# Altium PCB Mixed Signal Board Project_final.PcbDoc (part 3 of 3)
Units mil, origin at the board's own origin, x right, y up, seen from the top; angles counter-clockwise.
Board outline 2764.84 x 2841.08 mil, 4 copper layers (Top Layer, GND, VCC, Bottom Layer), stack 61.614 mil thick; 189 components, 143 nets, 740 pads, 441 vias.
Unrouted connection lines stored in the file: 1.
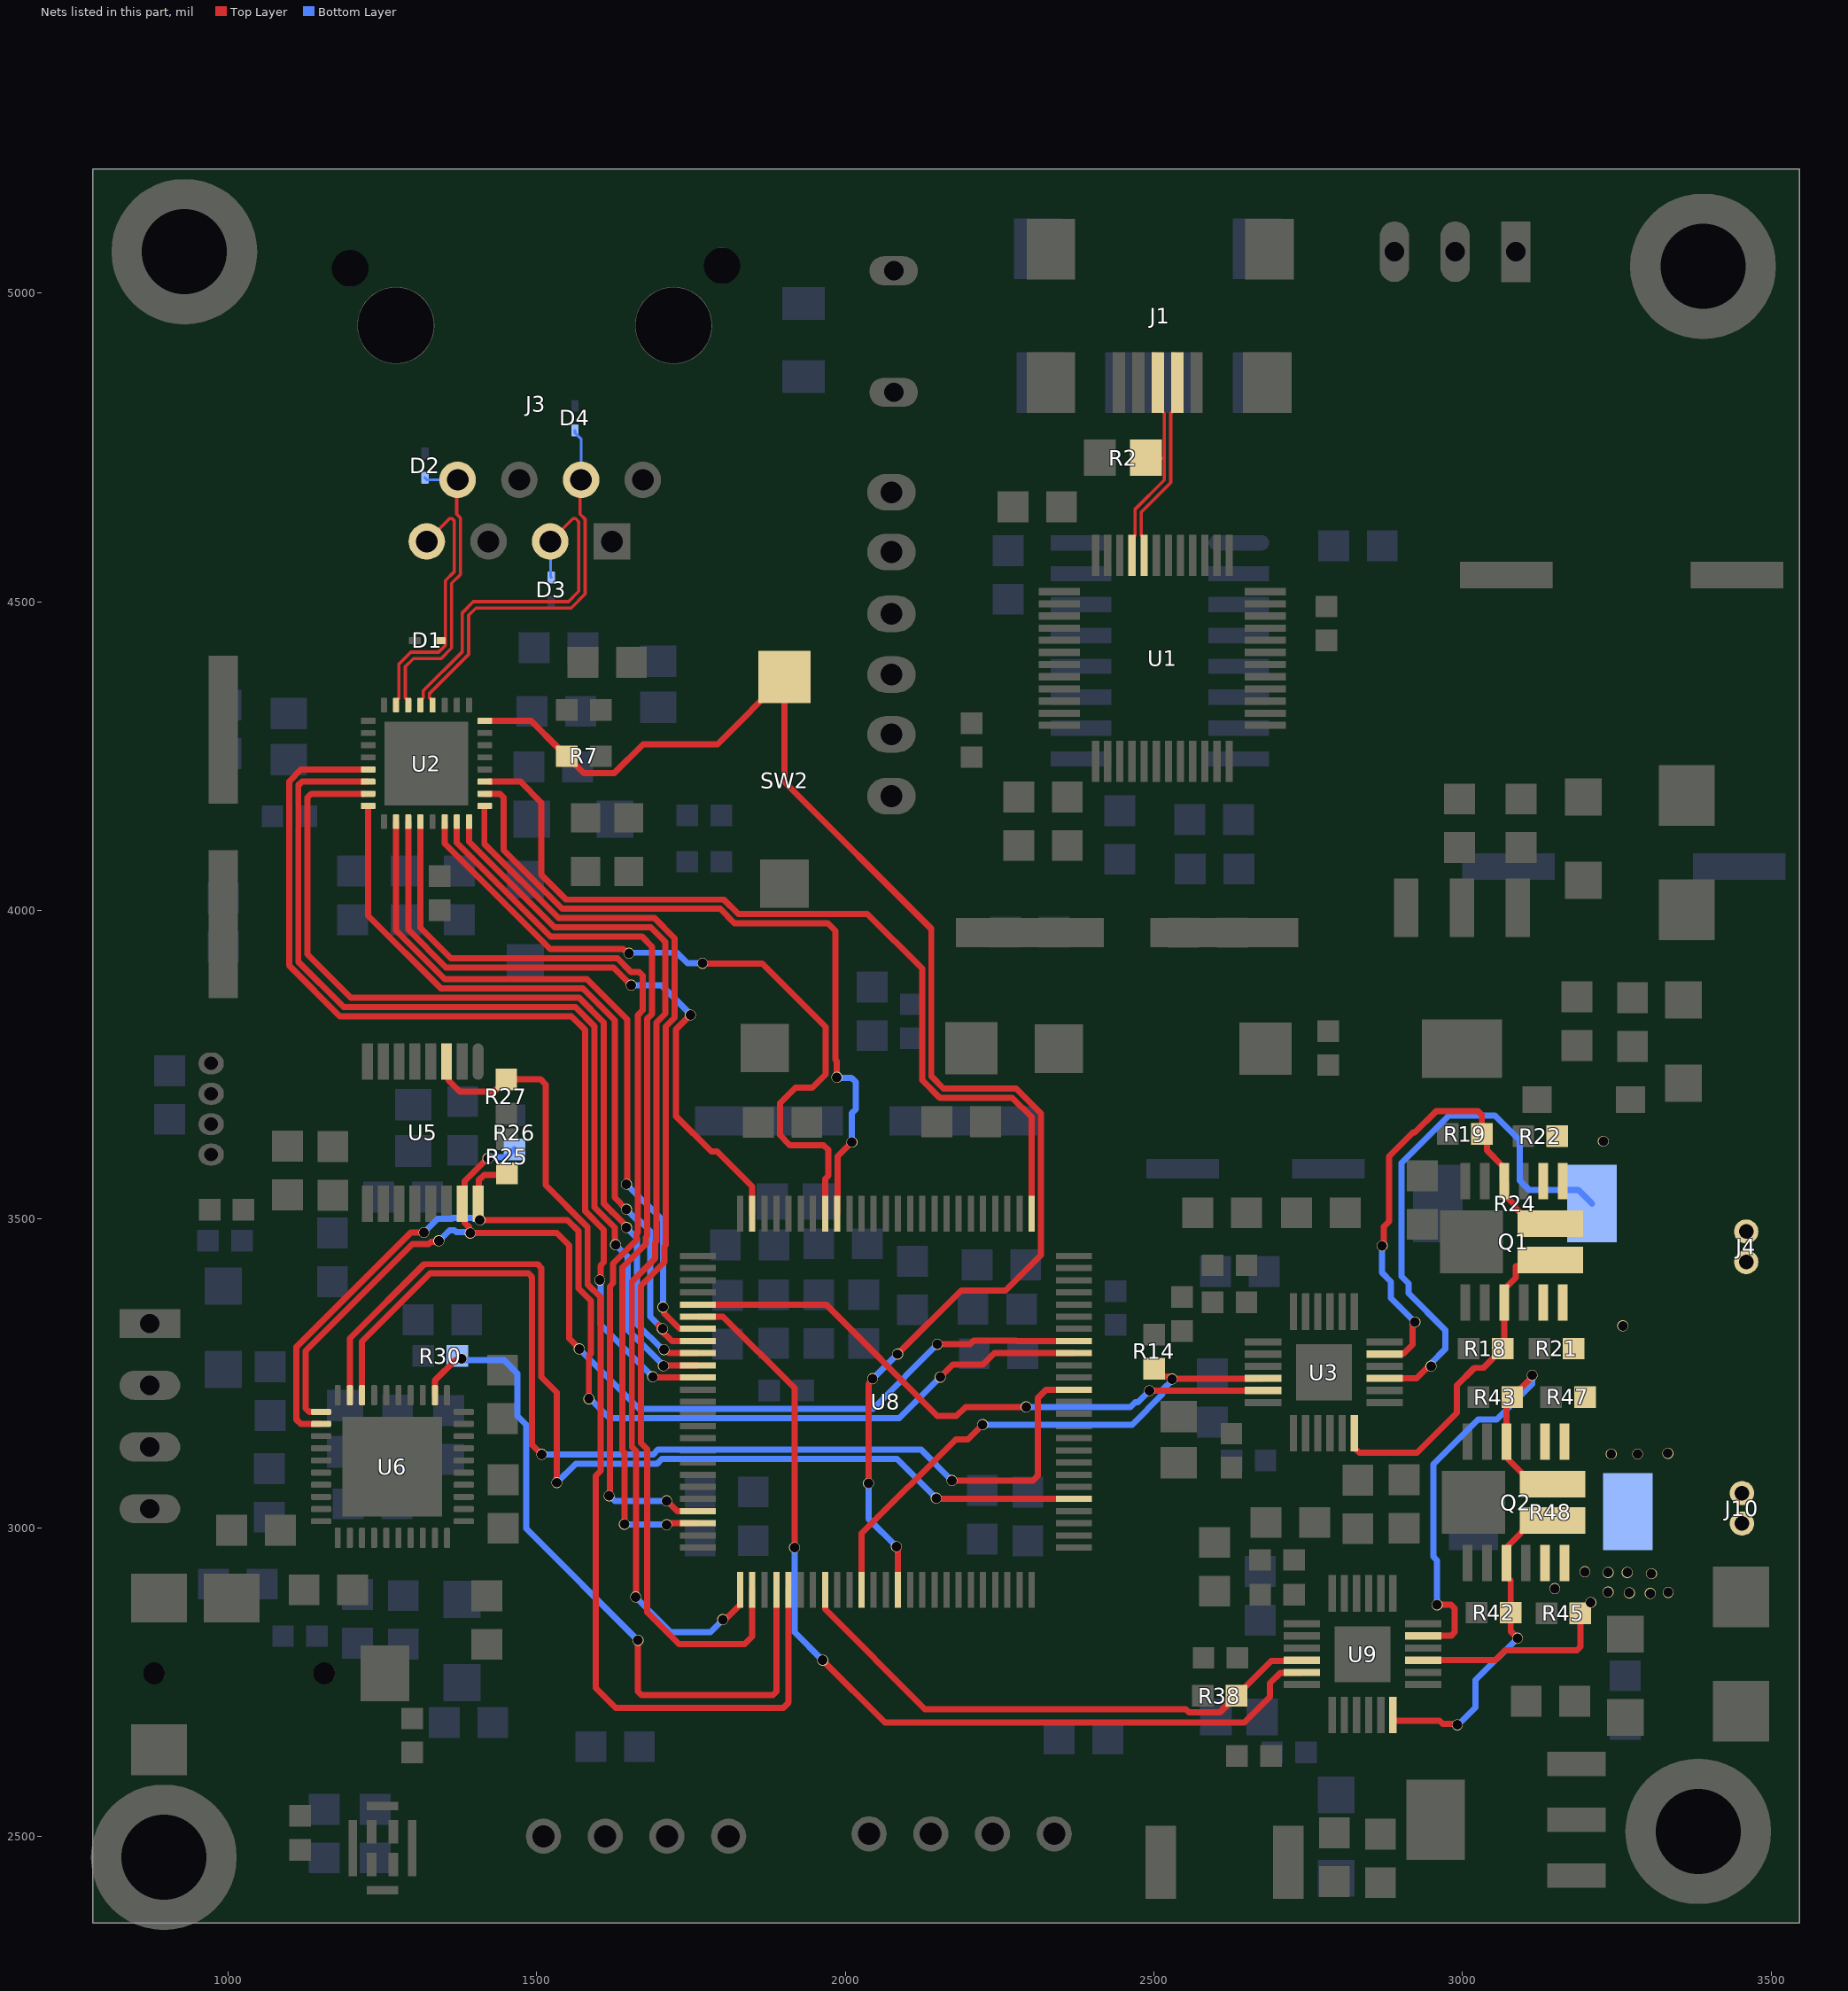
[diagram p5: the nets of this part, all layers, seen from the top]

## Via types
v1: diameter 17.72, hole 15.75, Top Layer to Bottom Layer, 441 vias

## Nets (pads, with @x,y where several pads share a name; then routed paths per layer and width w, separated by ;. In a path a pad name is that pad's centre, name@x,y a point inside that pad or via, vN(x,y) a via of type N, cw(c..) or ccw(c..) an arc to the next point about the centre after c; other vN are vias at no path point) (continued)
"PHY RESET": R7.1 SW2.2 U2.32 U8.64 | length 2482.8
  Top Layer w10: U2.32@1415.91,4306.89 1491.03,4306.89 1535.83,4262.09 1536.42,4262.09 1548.33,4250.18 R7.1@1548.33,4249.59 ; R7.1@1548.92,4249.59 1576.42,4222.09 1625.56,4222.09 1672.65,4269.18 1792.8,4269.18 SW2.2@1901.57,4377.95 1901.57,4207.89 2139.41,3970.06 2139.41,3731.33 2159.28,3711.46 2276.85,3711.46 2316.96,3671.35 2316.96,3441.67 2259.36,3384.07 2187.85,3384.07 v1(2084.79,3281.01) ; v1(2037.53,3071.8) 2037.53,3232.65 2044.22,3239.34 v1(2044.22,3241.43) ; v1(2082.83,2969.16) 2082.83,2967.07 2085.42,2964.48 U8.64@2085.42,2899.22
  Bottom Layer w10: v1(2037.53,3071.8) 2037.53,3014.46 v1(2082.83,2969.16) ; v1(2044.22,3241.43) 2044.72,3241.43 2084.29,3281.01 v1(2084.79,3281.01)
RD_N: D4.K J3.6 U2.4 | length 649.8
  Top Layer w5.18: U2.4@1331.26,4332.48 1331.26,4339.37 1326.51,4344.12 1326.51,4351.48 1354.61,4379.59 1389.76,4414.74 1389.76,4478.01 1401.57,4489.82 1555.79,4489.82 1578.47,4512.5 1578.47,4633.45 1570.31,4641.61 1570.31,4695.9 J3.6@1571.89,4697.48
  Bottom Layer w4.49: D4.K@1561.89,4777.48 1561.89,4773.74 1571.89,4763.74 J3.6@1571.89,4697.48
RD_P: D3.K J3.5 U2.5 | length 616.1
  Top Layer w5.18: U2.5@1311.57,4332.48 1311.57,4339.37 1316.33,4344.12 1316.33,4355.7 1379.59,4418.96 1379.59,4482.23 1397.36,4500 1551.57,4500 1568.29,4516.72 1568.29,4629.24 1563.11,4634.42 1558.82,4634.42 J3.5@1521.89,4597.48
  Bottom Layer w4.49: J3.5@1521.89,4597.48 1522.76,4596.61 1522.76,4540.24 D3.K@1523.62,4539.37
RESET: R27.1 U5.3 U8.55 | length 1738
  Top Layer w10: U5.3@1353.82,3755 1357.68,3751.14 1357.68,3724.2 1375.54,3706.34 1430.98,3706.34 R27.1@1450.72,3726.08 1506.34,3726.08 1514.53,3717.89 1514.53,3554.76 1582.48,3486.8 1582.48,3393.92 1603.46,3372.95 1603.46,3092 1595.74,3084.28 1595.74,2740.42 1628.26,2707.9 1899.69,2707.9 1908.26,2716.46 U8.55@1908.26,2899.22
RESET_DAC: R30.1 U6.32 U8.54 | length 1174.3
  Top Layer w10: U6.32@1335.1,3214.51 1335.1,3238.66 1368.77,3272.34 1376.78,3272.34 v1(1378.25,3273.82) ; v1(1664.18,2817.4) 1664.18,2734.39 1670.04,2728.54 1882.71,2728.54 1888.57,2734.39 U8.54@1888.57,2899.22
  Bottom Layer w10: v1(1378.25,3273.82) 1378.25,3271.07 1447.37,3271.07 1469.01,3249.43 1469.01,3180.68 1483.04,3166.64 1483.04,2998.54 v1(1664.18,2817.4)
RX_CLK: U2.19 U8.24 | length 1078.2
  Top Layer w10: U2.19@1291.89,4143.5 1291.89,3968.75 1353.42,3907.23 1624.68,3907.23 v1(1653.18,3878.73) ; v1(1749,3830.49) 1725.97,3807.47 1725.97,3666.24 1782.82,3609.4 1792.35,3609.4 1849.2,3552.55 U8.24@1849.2,3508.51
  Bottom Layer w10: v1(1653.18,3878.73) 1702.27,3878.73 1749,3832 v1(1749,3830.49)
RX_D0: U2.16 U8.33 | length 1257.9
  Top Layer w10: U2.16@1226.93,4169.09 1226.93,3991.29 1344.86,3873.36 1575.01,3873.36 1626.53,3821.85 1626.53,3534.45 v1(1645.38,3515.59) ; v1@1697.91,3327.88 1699.39,3326.41 1699.39,3321.84 1718.94,3302.29 U8.33@1761.09,3302.29
  Bottom Layer w10: v1(1645.38,3515.59) 1664.23,3496.74 1667.35,3496.74 1684.18,3479.92 1684.18,3341.38 1703.47,3322.09 v1(1703.83,3322.09)
RX_D1: U2.15 U8.34 | length 1502.7
  Top Layer w10: U2.15@1220.12,4188.86 1134.65,4188.86 1128.8,4183 1128.8,3928.61 1199.05,3858.36 1568.8,3858.36 1608.84,3818.32 1608.84,3525.05 1640.72,3493.17 1640.72,3492.95 1645.38,3488.29 v1(1645.38,3486.2) ; v1(1706.2,3288.25) 1708.28,3288.25 1713.92,3282.61 U8.34@1761.09,3282.61
  Bottom Layer w10: v1(1645.38,3486.2) 1662.72,3468.86 1662.72,3329.71 1704.18,3288.25 v1(1706.2,3288.25)
RX_D2: U2.14 U8.35 | length 1577.3
  Top Layer w10: U2.14@1226.93,4208.46 1119.65,4208.46 1113.8,4202.61 1113.8,3916.7 1187.14,3843.36 1562.59,3843.36 1593.84,3812.11 1593.84,3518.84 1626.53,3486.15 1626.53,3459.32 v1(1627.75,3458.1) ; v1(1705.36,3262.1) 1706.19,3262.92 U8.35@1761.09,3262.92
  Bottom Layer w10: v1(1627.75,3458.1) 1628.13,3458.1 1647.72,3438.51 1647.72,3320.05 1705.36,3262.41 v1(1705.36,3262.1)
RX_D3: U2.13 U8.36 | length 1636.9
  Top Layer w10: U2.13@1220.12,4228.07 1118.05,4228.07 1098.8,4208.82 1098.8,3910.48 1180.92,3828.36 1556.37,3828.36 1578.84,3805.9 1578.84,3512.63 1608.89,3482.57 1608.89,3429.77 1603.64,3424.52 1603.64,3402.39 v1(1602.16,3400.91) ; v1(1688.07,3244.32) 1689.15,3243.24 U8.36@1761.09,3243.24
  Bottom Layer w10: v1(1602.16,3400.91) 1603.64,3399.44 1603.64,3328.76 v1(1688.07,3244.32)
RX_DV: U2.18 U8.32 | length 1177
  Top Layer w10: U2.18@1272.2,4143.5 1272.2,3967.22 1350.73,3888.7 1568.41,3888.7 1568.75,3888.36 1581.23,3888.36 1646.48,3823.11 1646.48,3557.4 v1(1645.38,3556.3) ; v1(1704.58,3357.1) 1706.05,3355.62 1706.05,3347.56 1731.64,3321.98 U8.32@1761.09,3321.98
  Bottom Layer w10: v1(1645.38,3556.3) 1704.58,3497.11 v1(1704.58,3357.1)
RX_ER: U2.20 U8.47 | length 1577.4
  Top Layer w10: U2.20@1311.65,4136.69 1311.65,3971.53 1360.96,3922.23 1630.9,3922.23 1652.8,3900.32 1666.18,3900.32 1672.04,3894.47 1672.04,3838.38 1664.24,3830.59 1664.24,3478.39 1662.06,3476.2 1662.06,3465.73 1623.89,3427.57 1623.89,3395.98 1618.46,3390.54 1618.46,3052.66 v1(1617.19,3051.39) ; v1(1710.5,3043.3) 1711.07,3043.3 1727.67,3026.7 U8.47@1761.09,3026.7
  Bottom Layer w10: v1(1617.19,3051.39) 1618.81,3051.39 1626.9,3043.3 v1(1710.5,3043.3)
SCL: R25.1 U5.16 U6.2 U8.92 | length 1924.3
  Top Layer w10: U6.2@1150.65,3167.85 1117.81,3167.85 1110.89,3174.77 1110.89,3292.81 1296.1,3478.01 v1(1317.3,3478.01) ; U5.16@1405,3524.68 1406.17,3525.85 1406.17,3563.12 1414.6,3571.55 R25.1@1451.86,3571.55 ; v1(1407.95,3498.27) 1549.81,3498.27 1567.48,3480.59 1567.48,3387.71 1587.91,3367.28 1587.91,3281.59 1584.6,3278.28 v1(1584.6,3208.73) ; v1(2153.9,3243.82) 2174.04,3263.95 2222.81,3263.95 2241.47,3282.61 U8.92@2370.38,3282.61
  Bottom Layer w10: v1(1317.3,3478.01) 1339.73,3500.43 1362.89,3500.43 1363.96,3501.5 1402.63,3501.5 1405.86,3498.27 v1(1407.95,3498.27) ; v1(1584.6,3208.73) 1586.69,3208.73 1617.83,3177.59 2087.67,3177.59 v1(2153.9,3243.82)
SCLK: U6.38 U8.89 | length 1724.9
  Top Layer w10: U6.38@1216.99,3214.51 1216.99,3301.39 1327.33,3411.73 1486.62,3411.73 1492.48,3405.87 1492.48,3134.33 v1(1508.18,3118.63) ; v1(2172.87,3076.28) 2303.84,3076.28 2311.95,3084.38 2311.95,3209.99 2325.51,3223.55 U8.89@2370.38,3223.55
  Bottom Layer w10: v1(1508.18,3118.63) 1688.88,3118.63 1696.47,3126.22 2122.92,3126.22 v1(2172.87,3076.28)
SDA: R26.1 U5.15 U6.1 U8.93 | length 1892.9
  Top Layer w10: U6.1@1150.65,3187.54 1131.75,3187.54 1125.89,3193.39 1125.89,3286.6 1298.45,3459.15 1325.12,3459.15 1329.12,3463.16 1340.06,3463.16 v1(1341.53,3464.63) ; v1(1421.21,3598.12) 1419.96,3598.12 1383.27,3561.43 1383.27,3528.54 U5.15@1379.41,3524.68 1383.27,3520.83 1383.27,3493.89 1390.85,3486.31 1390.85,3478.64 v1(1392.33,3477.16) 1532.4,3477.16 1552.48,3457.08 1552.48,3306.57 1569.06,3290 v1(1569.06,3289.41) ; v1(2149.12,3296.95) 2202.47,3296.95 2208.32,3302.8 2277.08,3302.8 2277.59,3302.29 U8.93@2370.38,3302.29
  Bottom Layer w10: v1(1341.53,3464.63) 1358.59,3481.68 1366.87,3481.68 1369.92,3478.64 1390.85,3478.64 v1(1392.33,3477.16) ; v1(1421.21,3598.12) 1423.3,3598.12 1425.39,3600.22 1451.43,3600.22 R26.1@1463.93,3612.72 ; v1(1569.06,3289.41) 1665.87,3192.59 2044.76,3192.59 v1(2149.12,3296.95)
SDIN: U6.39 U8.80 | length 1693.3
  Top Layer w10: U6.39@1197.3,3214.51 1197.3,3306.39 1317.64,3426.73 1501.62,3426.73 1507.48,3420.87 1507.48,3244.01 1532.56,3218.93 v1(1532.56,3072.88) ; v1(2147.46,3047.65) 2148.72,3046.39 U8.80@2370.38,3046.39
  Bottom Layer w10: v1(1532.56,3072.88) 1563.31,3103.63 1695.09,3103.63 1702.68,3111.22 2083.88,3111.22 v1(2147.46,3047.65)
SH1: J4.1 Q1.3 Q1.13 R18.2 U3.18 | length 561.9
  Top Layer w10: U3.18@2824.68,3152.99 2824.68,3129.37 2832.81,3121.24 2926.61,3121.24 2991.26,3185.89 2991.26,3230.72 3019.29,3258.75 3033.75,3258.75 R18.2@3065,3290 ; R18.2@3067.8,3292.8 Q1.3@3067.8,3364.57 3067.8,3386.22 3086.61,3405.04 3086.61,3423.28 3132.41,3423.28 Q1.13@3142.6,3433.46
SH1_2: J10.1 Q2.3 Q2.13 R42.2 U9.18 | length 545.1
  Top Layer w10: U9.18@2887.42,2696.47 2887.42,2687.85 2888.32,2686.95 2962.77,2686.95 2967.77,2681.95 2990.17,2681.95 v1(2991.63,2680.49) ; v1(3089.32,2820.83) 3078.16,2831.99 R42.2@3078.16,2862.3 3078.16,2913.69 3071.06,2920.79 Q2.3@3071.06,2942.44 3073.94,2945.31 3073.94,2970.91 3114.37,3011.34 Q2.13@3145.87,3011.34
  Bottom Layer w10: v1(2991.63,2680.49) 2993.14,2680.49 3021.37,2708.72 3021.37,2752.88 v1(3089.32,2820.83)
SH2: J4.2 Q1.10 Q1.14 R19.1 U3.23 | length 808.8
  Top Layer w10: v1(2869.8,3456.49) 2872.59,3459.27 2872.59,3487.23 2881.34,3495.99 2881.34,3601.7 2919.94,3640.3 2922.95,3640.3 2957.01,3674.36 3025.64,3674.36 3031.5,3668.5 R19.1@3031.5,3637.8 3039.71,3629.58 3039.71,3611.15 3064.92,3585.94 3064.92,3564.29 3070.67,3558.54 3070.67,3536.89 3084.81,3522.75 3084.81,3518.81 3111.1,3492.52 Q1.14@3142.6,3492.52 ; U3.23@2873.9,3281.1 2874.8,3282.01 2904.69,3282.01 2919.25,3296.57 2919.25,3329.25 v1(2923,3333)
  Bottom Layer w10: v1(2869.8,3456.49) 2869.35,3456.04 2869.35,3413.19 2884.15,3398.39 2884.15,3371.84 v1(2923,3333)
SH2_2: J10.2 Q2.10 Q2.14 R43.1 U9.23 | length 824.2
  Top Layer w10: U9.23@2936.63,2824.58 2981.48,2824.58 2987.34,2830.44 2987.34,2869.07 2981.48,2874.93 v1(2958.86,2874.93) ; v1(3112.95,3246.72) 3111.47,3245.25 3111.47,3242.35 R43.1@3080.63,3211.51 3071.06,3201.94 Q2.10@3071.06,3139.29 3073.94,3136.42 3073.94,3110.83 3114.37,3070.39 Q2.14@3145.87,3070.39
  Bottom Layer w10: v1(2958.86,2874.93) 2958.86,2947.06 2952.91,2953.01 2952.91,3102.77 3025.21,3175.07 3055.7,3175.07 3112.95,3232.32 v1(3112.95,3246.72)
SNSOUT: R14.1 U3.10 U8.61 | length 898
  Top Layer w10: U8.61@2026.37,2899.22 2026.37,2990.44 2178.96,3143.04 2198.66,3143.04 v1(2222.47,3166.84) ; R14.1@2489.97,3258.1 2503.03,3245.03 2523.09,3245.03 2527.49,3240.63 v1(2529.58,3240.63) 2530.13,3241.18 2676.5,3241.18 U3.10@2677.05,3241.73
  Bottom Layer w10: v1(2222.47,3166.84) 2464.6,3166.84 2513.96,3216.2 2513.96,3222.93 2529.58,3238.54 v1(2529.58,3240.63)
SNSOUT_2: R38.1 U8.58 U9.10 | length 908.4
  Top Layer w10: U8.58@1967.31,2899.22 1967.31,2867.67 2129.03,2705.95 2551.99,2705.95 2557.51,2700.43 2606.66,2700.43 2690.52,2784.3 2738.87,2784.3 U9.10@2739.78,2785.21
SO: U3.11 U8.30 | length 1007.8
  Top Layer w10: U8.30@1761.09,3361.35 1968.8,3361.35 2149.37,3180.78 2180.13,3180.78 2194.84,3195.49 v1(2293.09,3195.49) ; v1(2492.86,3221.77) 2676.77,3221.77 U3.11@2677.05,3222.05
  Bottom Layer w10: v1(2293.09,3195.49) 2462.26,3195.49 2469.67,3202.9 2473.99,3202.9 v1(2492.86,3221.77)
SO_2: U8.31 U9.11 | length 1529.2
  Top Layer w10: U8.31@1761.09,3341.66 1801.94,3341.66 1917.68,3225.92 v1(1917.68,2967.7) ; v1(1963.33,2785.12) 2064.45,2684.01 2646.22,2684.01 2688.31,2726.1 2688.31,2747.97 2704.95,2764.62 2738.87,2764.62 U9.11@2739.78,2765.52
  Bottom Layer w10: v1(1917.68,2967.7) 1917.68,2830.77 v1(1963.33,2785.12)
SP: Q1.5 Q1.6 Q1.7 Q1.8 R21.1 R22.2 R24.2 U3.21 | length 888.9
  Top Layer w10: U3.21@2873.9,3241.73 2925.37,3241.73 2945.09,3261.46 v1(2949.13,3261.46)
  Bottom Layer w10: v1(2949.13,3261.46) 2949.13,3266.29 2971.99,3289.15 2971.99,3320.42 2912.87,3379.53 2912.87,3395.33 2901.2,3407.01 2901.2,3590.67 2977.79,3667.26 3052.74,3667.26 3092.74,3627.26 3092.74,3562.26 3107.74,3547.26 3187.74,3547.26 R24.2@3210,3525
  other v1: 3259.84,3326.77 3228.35,3625.98
SP_2: Q2.5 Q2.6 Q2.7 Q2.8 R45.1 R47.2 R48.2 U9.21 | length 324.9
  Top Layer w10: U9.21@2936.63,2785.21 3053.28,2785.21 3069.41,2801.34 3185.26,2801.34 3191.12,2807.2 R45.1@3191.12,2861.12 R45.1@3191.12,2868.48
  other v1: 3208,2878.74 3304.47,2893.22 3270.47,2894.37 3333.3,2894.95 3235.9,2895.53 3149.61,2901.19 3306.2,2925.49 3235.9,2927.23 3267.02,2927.23 3198.44,2928.38 3241.08,3119.12 3283.72,3119.12 3332.72,3120.28
TD_N: D2.K J3.2 U2.6 | length 487.7
  Top Layer w5.18: U2.6@1291.89,4332.48 1291.89,4339.37 1287.14,4344.12 1287.14,4394.79 1300.36,4408.02 1345.31,4408.02 1362.2,4424.92 1362.2,4529.84 1376.32,4543.96 1376.32,4635.6 1370.31,4641.61 1370.31,4695.9 J3.2@1371.89,4697.48
  Bottom Layer w4.49: D2.K@1318.9,4700.59 1322.01,4697.48 J3.2@1371.89,4697.48
TD_P: D1.K J3.1 U2.7 | length 425
  Top Layer w5.18: U2.7@1272.2,4332.48 1272.2,4339.37 1276.96,4344.12 1276.96,4399.01 1296.15,4418.2 1341.09,4418.2 1352.03,4429.13 1352.03,4534.05 1366.15,4548.17 1366.15,4631.38 1363.11,4634.42 1358.82,4634.42 J3.1@1321.89,4597.48
TX_CLK: U2.22 U8.18 | length 1192.3
  Top Layer w10: U2.22@1350.94,4143.5 1350.94,4107.99 1521.71,3937.23 1640.48,3937.23 1647.38,3930.33 v1(1649.46,3930.33) ; v1(1768.64,3914.27) 1769.52,3913.39 1865.59,3913.39 1968.08,3810.91 1968.08,3734.09 1946.77,3712.78 1919.16,3712.78 1894.02,3687.64 1894.02,3635.97 1910.39,3619.6 1964.87,3619.6 1972.5,3611.96 1972.5,3570.16 1967.31,3564.97 U8.18@1967.31,3508.51
  Bottom Layer w10: v1(1649.46,3930.33) 1650.38,3931.24 1727.25,3931.24 1744.22,3914.27 v1(1768.64,3914.27)
TX_D0: U2.24 U8.51 | length 1739.6
  Top Layer w10: U2.24@1390.31,4143.5 1390.31,4111.04 1528.98,3972.38 1684.63,3972.38 1708.4,3948.61 1708.4,3832.31 1694.24,3818.16 1694.24,3463.84 1692.06,3461.66 1692.06,3436.08 1654.21,3398.24 1654.21,3130.79 1661.03,3123.96 1661.03,2888.34 v1(1660.22,2887.53) ; v1(1801.55,2850.87) 1803.03,2852.35 1806.68,2852.35 1829.52,2875.19 U8.51@1829.52,2899.22
  Bottom Layer w10: v1(1660.22,2887.53) 1716.87,2830.89 1781.57,2830.89 v1(1801.55,2850.87)
TX_D1: U2.25 U8.52 | length 1823.8
  Top Layer w10: U2.25@1415.24,4169.02 1415.24,4107.34 1535.2,3987.38 1690.84,3987.38 1723.4,3954.82 1723.4,3826.1 1709.24,3811.95 1709.24,3457.63 1707.06,3455.45 1707.06,3429.87 1669.21,3392.03 1669.21,3137 1679.08,3127.13 1679.08,2862.78 1730.51,2811.35 1837.09,2811.35 1849.2,2823.47 U8.52@1849.2,2899.22
TX_D2: U2.26 U8.17 | length 1208
  Top Layer w10: U2.26@1415.91,4188.78 1440.62,4188.78 1446.48,4182.92 1446.48,4097.31 1541.41,4002.38 1797.14,4002.38 1820.58,3978.94 1971.8,3978.94 1984,3966.74 1984,3758.2 1986.33,3755.87 v1(1986.33,3729.34) ; U8.17@1987,3508.51 1987,3535.48 1987.5,3535.98 1987.5,3601.24 v1(2010.77,3624.51)
  Bottom Layer w10: v1(1986.33,3729.34) 1986.9,3728.76 2010.18,3728.76 2016.84,3722.11 2016.84,3677.53 2010.77,3671.46 v1(2010.77,3624.51)
TX_D3: U2.27 U8.1 | length 1435
  Top Layer w10: U2.27@1422.72,4208.39 1473.5,4208.39 1507.39,4174.49 1507.39,4057.61 1547.62,4017.38 1803.35,4017.38 1826.79,3993.94 2035.99,3993.94 2124.41,3905.52 2124.41,3725.12 2153.07,3696.46 2270.64,3696.46 2301.96,3665.14 U8.1@2301.96,3508.51
TX_EN: U2.23 U8.48 | length 1497.4
  Top Layer w10: U2.23@1370.63,4143.5 1370.63,4109.52 1522.77,3957.38 1670.77,3957.38 1687.04,3941.11 1687.04,3832.17 1679.24,3824.37 1679.24,3472.18 1677.06,3469.99 1677.06,3459.52 1638.89,3421.35 1638.89,3124.89 1642.17,3121.61 v1(1642.17,3005.49) ; v1@1711.57,3004.59 1713.66,3004.59 1716.09,3007.02 U8.48@1761.09,3007.02
  Bottom Layer w10: v1(1642.17,3005.49) 1642.63,3005.04 1711.12,3005.04 v1@1711.57,3004.59
  other v1: 1710.5,3004.59
USBD_N: J1.2 U1.32 | length 306.2
  Top Layer w5.18: U1.32@2484.25,4574.8 2484.25,4602.36 2479.5,4607.12 2479.5,4644.98 2527.3,4692.78 2527.3,4804.99 2530.33,4808.03 2530.7,4808.03 2537.96,4815.28 J1.2@2537.96,4854.65
USBD_P: J1.3 R2.1 U1.33 | length 336.5
  Top Layer w5.18: U1.33@2464.57,4574.8 2464.57,4602.36 2469.32,4607.12 2469.32,4649.2 2517.12,4697 2517.12,4804.99 2514.09,4808.03 2513.72,4808.03 2506.46,4815.28 J1.3@2506.46,4854.65 ; R2.1@2487.23,4733.21 2488.16,4732.27 2517.12,4732.27
pads on no net: J1.1 J1.4 J3. J3.3 J3.4 J3.7 J3.8 J5.1 J5.4 J7. J7.4 J12. MH2.1 MH3.1 U1.2 U1.3 U1.4 U1.10 U1.11 U1.12 U1.13 U1.14 U1.15 U1.16 U1.17 U1.19 U1.21 U1.22 U1.28 U1.29 U1.30 U1.31 U1.41 U1.42 U1.43 U1.45 U1.46 U2.30 U2.31 U4.7 U4.8 U4.9 U4.10 U4.11 U4.12 U4.13 U4.15 U5.6 U5.7 U5.8 U5.9 U6.20 U6.21 U6.22 U6.23 U6.24 U6.25 U6.26 U6.29 U6.30 U6.36 U8.2 U8.3 U8.4 U8.5 U8.7 U8.8 U8.9 U8.15 U8.38 U8.39 U8.40 U8.41 U8.42 U8.43 U8.44 U8.46 U8.67 U8.77 U8.81 U8.82 U8.83 U8.84 U8.85 U8.86 U8.87 U8.88 U8.91 U8.95 U8.96 U8.97 U8.98

## Polygon pours and split planes (outlines as drawn)
GND on Top Layer "GND_L01_P081" (solid, remove dead copper, pour order 81): 2904.1,2465.29 2745.96,2465.29 2745.96,2516.28 2724.9,2537.34 2576.35,2537.34 2557.22,2518.21 2557.22,2379.21 2452.65,2379.21 2450.73,2377.29 2448.18,2379.84 2448.18,2585.17 2703.22,2585.17 2704.51,2583.88 2731.93,2611.31 2888.16,2611.31 2904.1,2595.37
DVDD on Top Layer "DVDD_L01_P107" (solid, pour order 107): 2477.28,3342.34 2477.28,3292.58 2509.28,3292.58 2509.28,3333.93 2528.15,3352.8 2570.05,3352.8 2570.05,3404.72 2570.68,3405.35 2507.4,3405.35 2507.4,3372.45
GND on Top Layer "GND_L01_P043" (solid, remove dead copper, pour order 43): 1407.19,3706.27 1404.88,3708.58 1404.88,3708.87 1360.98,3708.87 1352.34,3717.51 1352.34,3717.96 1298.07,3717.96 1294.74,3721.29 1294.74,3696.16 1328.53,3696.16 1331.12,3693.57 1331.12,3656.62 1355.8,3656.62 1355.95,3656.47 1364.32,3664.84 1403.58,3664.84 1407.04,3668.31 1407.04,3706.56
GND on Top Layer "GND_L01_P114" (solid, remove dead copper, pour order 114): 1271.46,2547.85 1261.84,2538.24 1260.49,2539.59 1209.79,2539.59 1209.79,2438.53 1190.57,2438.53 1190.57,2543.63 1203.82,2556.88 1262.43,2556.88
+3V3 on Top Layer "+3V3_L01_P100" (solid, remove dead copper, pour order 100): 1218.14,2557.57 1217.45,2556.88 1190.19,2556.88 1190.19,2530.42 1192.18,2528.43 1192.18,2522.64 1175.61,2506.07 1175.6,2506.08 1069.89,2506.08 1069.89,2583.59 1075.91,2589.61 1079.68,2585.84 1393.42,2585.84 1394.31,2584.95 1394.31,2495.17 1323.5,2495.17 1321.99,2493.66 1311.46,2504.2 1311.46,2542.96 1286.62,2567.79 1276.4,2557.57
+12V on Top Layer "+12V_L01_P033" (solid, pour order 33): 3027.56,3590.55 3043.31,3590.55 3043.31,3531.5 3055.12,3519.69 3070.87,3519.69 3070.87,3413.39 3055.12,3397.64 3055.12,3330.71 3047.24,3322.83 3043.31,3326.77 3019.69,3326.77 3019.69,3401.57 3015.75,3405.51 2990,3405.51 2990,3315 2920,3365 2910,3527.56 3027.56,3527.56
DVDD_2 on Top Layer "DVDD_2_L01_P070" (solid, pour order 70): 2600.57,2706.47 2598.24,2704.15 2546.77,2704.15 2546.77,2836.32 2776.84,2836.32 2776.84,2816.02 2602.53,2816.02 2600.24,2813.73
+3V3 on Top Layer "+3V3_L01_P111" (solid, remove dead copper, pour order 111): 2432.74,4766.94 2432.74,4707.86 2318.78,4707.86 2318.78,4615.79 2412.75,4615.79 2414.75,4613.79 2414.75,4535.81 2314.78,4535.81 2295.48,4555.12 2240.16,4555.12 2196.85,4598.43 2196.85,4719.78 2242.14,4765.07
+12V on Top Layer "Top Layer-+12V" (solid, pour order 69): 2900.06,2945.83 2938.52,2945.83 2948.83,2956.14 2948.83,2988.22 3061.66,2988.22 3067.97,2994.53 3067.3,2995.21 3067.3,3095.09 3066.97,3094.76 3048.5,3094.76 3048.5,3169.28 3026.16,3169.28 3025.58,3099.93 3028.46,3097.06 3026.16,3094.77 2963.72,3094.77 2963.72,3045.67 2865.82,3045.67 2859.15,3104.83 2856.4,3107.57 2793.59,3107.57 2793.59,3030.47 2879.95,3030.47 2879.95,2945.83 2879.31,2945.19 2879.31,2859.66 2898.78,2859.66 2899.41,2859.04
+3V3 on Top Layer "+3V3_L01_P110" (solid, pour order 110): 2382.92,4210.46 2380.6,4212.78 2260.96,4212.78 2255.32,4207.15 2255.32,4158.76 2382.59,4158.76 2383.58,4159.75
NetC68_2 on Top Layer "NETC68_2_L01_P085" (solid, pour order 85): 1915.77,3585.39 1915.77,3477.97 1880.74,3477.97 1880.74,3550.92 1880.74,3585.39
+1V8 on Top Layer "+1V8_L01_P080" (solid, remove dead copper, pour order 80): 3240.77,2564.12 3236.3,2559.65 3236.3,2477.39 3136.83,2477.39 3088.37,2428.93 3088.37,2388.76 3078.18,2378.57 3077.54,2379.21 2557.22,2379.21 2557.22,2518.21 2576.35,2537.34 2576.99,2536.7 2736.4,2536.7 2736.4,2529.67 2803.34,2462.73 2805.9,2465.29 2904.1,2465.29 2904.1,2595.37 2940.43,2631.7 3094.11,2631.7 3094.11,2578.16 3109.42,2562.85
NetC91_2 on Top Layer "NETC91_2_L01_P079" (solid, pour order 79): 3544.93,2943.52 3541.97,2946.48 3364.89,2946.48 3333.87,2915.47 3333.87,2877.21 3227.28,2877.21 3223.56,2873.48 3223.56,2793.04 3171.91,2793.04 3140.03,2761.16 3140.03,2566.67 3137.48,2564.12 3240.77,2564.12 3240.77,2635.54 3227.28,2649.03 3231.85,2668.7 3231.85,2700.6 3341.5,2810.25 3540.78,2810.25 3545.1,2805.93
+12V on Top Layer "+12V_L01_P078" (solid, pour order 78): 3320.21,2803.95 3322.18,2805.93 3545.1,2805.93 3548.61,2802.43 3545.56,2799.38 3545.56,2647.35 3319.45,2647.35
SP_2 on Top Layer "SP_2_L01_P075" (solid, remove dead copper, pour order 75): 3125.16,2975.33 3118.44,2968.61 3118.44,2893.74 3129.63,2882.55 3166.41,2882.55 3166.41,2825.95 3188.82,2803.55 3224.64,2803.55 3224.64,2874.57 3235.2,2885.12 3359,2885.12 3359,2955.47 3361.57,2958.05 3361.56,2958.06 3186.9,2958.06 3186.9,2967.95 3180.17,2974.68
GND on Top Layer "GND_L01_P074" (solid, pour order 74): 2506.6,3137.26 2507.05,3137.71 2582.39,3137.71 2582.39,3061.21 2580.8,3059.62 2507.28,3059.62
SP_2 on Top Layer "SP_2_L01_P067" (solid, remove dead copper, pour order 67): 3365.46,3230.59 3347.79,3248.26 3179.86,3248.26 3179.86,3236.32 3174.55,3231.01 3174.55,3187.55 3160.26,3173.26 3124.44,3173.26 3124.44,3111.53 3130.41,3105.56 3134.39,3109.54 3365.46,3109.54
SH1_2 on Top Layer "SH1_2_L01_P064" (solid, pour order 64): 3369.96,3031.98 3502.34,3031.98 3502.34,2966.49 3482.34,2946.48 3373.14,2946.48 3361.57,2958.05 3361.57,2985.02 3099.49,2985.02 3085.77,2971.31 3085.77,2908.36 3079.79,2902.37 3078.94,2903.22 3053.65,2903.22 3053.65,2920.78 3056.22,2923.35 3056.22,2979.02 3064.36,2979.02 3081.39,2996.05 3081.39,3038.7 3363.86,3038.7 3369.96,3032.6
SH2_2 on Top Layer "SH2_2_L01_P063" (solid, pour order 63): 3483.36,3118.98 3502.34,3099.99 3502.34,3031.98 3369.96,3031.98 3363.86,3038.7 3081.39,3038.7 3081.39,3081 3053.21,3109.17 3053.21,3180.87 3083.23,3180.87 3087.51,3176.59 3087.51,3103.65 3377.97,3103.65 3377.97,3118.98 3401.86,3118.98 3482.74,3118.98
GND on Top Layer "GND_L01_P055" (solid, pour order 55): 944.84,2951.04 944.84,2820.33 839.32,2820.33 820.94,2842.65 820.94,2879.25 820.94,2951.04
GND on Top Layer "GND_L01_P052" (solid, pour order 52): 1465.52,2849.32 1351.85,2849.32 1351.85,2716.86 1351.86,2716.86 1350.19,2715.18 1350.19,2658.35 1432.1,2658.35 1466.36,2692.62 1466.36,2721.03
SP on Top Layer "Top Layer-SP" (solid, remove dead copper, pour order 38): 3155,3275 3345,3275 3345,3345 3320,3370 3205,3370 3165,3410 3115,3410 3115,3325 3155,3325
SP on Top Layer "SP_L01_P034" (solid, remove dead copper, pour order 34): 3263.78,3669.29 3125.98,3669.29 3125.98,3614.17 3129.92,3610.24 3118.11,3598.43 3114.17,3598.43 3114.17,3523.62 3263.78,3523.62
SH1 on Top Layer "Top Layer-SH1" (solid, pour order 32): 3177.17,3413.39 3216.54,3374.02 3496.06,3374.02 3507.87,3389.76 3507.87,3452.76 3283.46,3452.76 3267.72,3437.01 3200.79,3437.01 3200.79,3460.63 3082.68,3460.63 3082.68,3418.09 3086.61,3414.16 3173.23,3413.39
SH2 on Top Layer "SH2_L01_P029" (solid, pour order 29): 3507.87,3519.69 3507.87,3456.69 3283.46,3456.69 3267.72,3472.44 3153.54,3472.44 3153.54,3500 3188.98,3535.43 3496.06,3535.43
+3V3 on Top Layer "+3V3_L01_P025" (solid, pour order 25): 3043.31,4066.93 2956.69,4066.93 2956.69,3728.35 2960.63,3732.28 3212.17,3732.28 3212.96,3681.32 3266.78,3681.32 3266.78,3586.89 3347.07,3586.89 3425.2,3640.63 3425.2,3728.35 3338.58,3814.96 3314.96,3814.96 3314.96,3822.83 3043.31,3822.83
+12V on Top Layer "+12V_L01_P023" (solid, pour order 23): 3291.34,4027.56 3291.34,3905.51 3523.62,3905.51 3523.62,4027.56
NetC85_2 on Top Layer "NETC85_2_L01_P022" (solid, pour order 22): 3454.82,4270.95 2935.14,4270.95 2883.96,4219.77 2883.96,3955.99 2943.01,3955.99 2943.01,4156.77 3443.01,4156.77 3454.82,4168.58
+12V on Top Layer "+12V_L01_P021" (solid, pour order 21): 3519.69,4748.03 3259.84,4748.03 3259.84,4500 3326.77,4433.07 3523.62,4433.07
GND on Top Layer "GND_L01_P012" (solid, remove dead copper, pour order 12): 2208.66,4269.9 2251.97,4269.9 2251.97,4129.92 2248.03,4125.98 2259.84,4114.17 2519.69,4114.17 2519.69,4011.81 2507.87,4000 2157.48,4000 2157.48,4269.9
NetC11_2 on Top Layer "NETC11_2_L01_P000" (solid, remove dead copper, pour order 0): 1358.62,4319.52 1357.06,4317.96 1356.96,4318.06 1342.73,4318.06 1340.64,4320.15 1341.02,4320.52 1341.02,4352.83 1443.8,4455.61 1529.53,4455.61 1529.53,4366.14 1370.08,4366.14 1358.62,4354.69
GND on Bottom Layer "GND_L04_P115" (solid, remove dead copper, pour order 115): 1325.83,2483.17 1331.64,2477.36 1331.64,2408.3 1302.17,2378.83 1103.97,2378.83 1103.97,2478.52 1115.22,2489.76 1316.14,2489.76
+3V3 on Bottom Layer "+3V3_L04_P061" (solid, pour order 61): 1343.15,3365.34 1343.15,3264.22 1321.23,3242.3 1274.09,3273.22 1274.09,3345.31 1274.09,3365.81
+12V on Bottom Layer "+12V_L04_P092" (solid, pour order 92): 2868.31,3641.5 2862.14,3647.68 2730.83,3647.68 2730.83,3641.49 2677.08,3587.75 2677.08,3489.75 2768.41,3398.43 2768.88,3398.89 2845.48,3398.89 2845.48,3451.7 2869.27,3475.48
+3V3 on Bottom Layer "+3V3_L04_P101" (solid, pour order 101): 1396.66,2586.42 1396.66,2492.4 1398.15,2491.09 1096.38,2491.09 1066.62,2520.86 1069.68,2523.92 1069.68,2586.42 1341.38,2586.42
NetC58_1 on Bottom Layer "NETC58_1_L04_P090" (solid, pour order 90): 1753.62,3684.65 1999.49,3684.65 1999.49,3631.86 1998.37,3630.75 1997.25,3631.87 1751.36,3631.87 1751.36,3682.4
GND on Bottom Layer "GND_L04_P076" (solid, remove dead copper, pour order 76): 2693.24,2890.15 2692.71,2889.63 2500.34,2889.63 2497.72,2887 2489.31,2895.41 2489.31,3136.66 2653.81,3136.66 2654.78,3137.63 2669.06,3123.34 2669.06,3037.84 2771.02,3037.84 2856.68,2952.18 2856.68,2870.7 2768.39,2870.7 2763.66,2865.98 2740.54,2889.1 2661.7,2889.1 2660.65,2890.15
NetC68_2 on Bottom Layer "Bottom Layer-NetC68_2" (solid, pour order 89): 1995.06,3342.02 1995.06,3426.68 1995.06,3485.36 1991.01,3489.41 1913.79,3489.41 1913.79,3587.38 1843.62,3587.38 1843.62,3430.74 1843.62,3342.02
EARTH on Bottom Layer "EARTH_L04_P113" (solid, remove dead copper, pour order 113): 2190.58,5163.5 2105.52,5078.44 2105.52,4976.19 2077.78,4948.45 2074.08,4952.15 1878.06,4952.15 1830.9,4999.3 1832.39,5000.79 1832.39,5082.32 1514.45,5082.32 1396.69,4964.56 1396.1,4964.56 1376.39,4944.26 1354.4,4922.86 1215.49,4783.95 799.38,4783.95 799.38,5190.88 789.59,5200.67 3550.15,5198.72 3550.15,4909.16 3544.29,4903.3 3542.33,4905.26 3217.55,4905.26 3217.55,5030.48 3219.51,5032.43 3219.51,5163.5 3018.58,5163.5 3018.58,5002.27 3021.33,4999.52 2961.54,4999.52 2961.54,5159.58 2954.17,5163.5
GND on Bottom Layer "GND_L04_P077" (solid, pour order 77): 3071.06,3089.91 3079.18,3098.02 3079.18,3249.61 3316.5,3249.61 3316.5,3328.43 3353.09,3365.03 3512.85,3365.03 3517.77,3360.1 3526.91,2968.11 3476.94,2918.14 3233.78,2918.14 3226.89,2925.03 3226.89,2986.25 2979.8,2986.25 2977.86,2988.2 2978.09,2988.43 2978.09,3089.91
GND on Bottom Layer "GND_L04_P093" (solid, remove dead copper, pour order 93): 2484.23,3611.34 2484.74,3610.83 2659.91,3610.83 2659.91,3496.32 2484.23,3496.32
GND on Bottom Layer "Bottom Layer-GND" (solid, pour order 28): 2704.72,3846.46 2948.82,3846.46 2948.82,4000 2996.06,4047.24 3153.54,4047.24 3153.54,4098.43 2783.46,4094.49 2755.91,4066.93 2755.91,4141.73 2720.47,4177.17 2606.3,4177.17 2606.3,4023.62 2602.36,4019.69 2507.87,4019.69 2507.87,4082.68 2480.31,4110.24 2476.38,4110.24 2472.44,4114.17 2307.09,4114.17 2307.09,3881.89 2283.46,3858.27 2704.72,3858.27
GND on Bottom Layer "GND_L04_P108" (solid, pour order 108): 1885.91,3093.21 1884.29,3091.59 1745.91,3091.59 1745.91,3033.38 1886.37,3033.38
GND on Bottom Layer "GND_L04_P106" (solid, pour order 106): 2461.3,2691.74 2460.3,2690.74 2460.3,2620.21 2454.34,2620.21 2408.64,2574.52 2408.64,2476.18 2374.88,2442.41 2298.39,2442.41 2298.39,2528.81 2298.38,2528.82 2385.8,2616.25 2386.8,2616.25 2386.8,2690.74 2381.83,2695.71
+3V3 on Bottom Layer "+3V3_L04_P105" (solid, pour order 105): 2381.83,2695.71 2381.83,2607.3 2317.26,2542.74 2290.45,2542.74 2290.45,2456.32 2282.5,2448.37 2282.49,2448.38 2197.05,2448.38 2187.14,2458.29 2187.14,2554.66 2248.71,2554.66 2256.67,2554.66 2298.38,2596.37 2298.38,2696.7 2299.39,2697.7
GND on Bottom Layer "GND_L04_P104" (solid, pour order 104): 1884.09,2590.62 1889.7,2585 1889.7,2521.66 1862.23,2521.66 1855.5,2514.93 1855.5,2465.03 1846.53,2456.06 1782.05,2456.06 1782.05,2458.3 1770.26,2470.08 1770.26,2560.34 1818.48,2560.34 1818.49,2560.35 1818.49,2587.82 1826.33,2595.66 1880.16,2595.66
+3V3 on Bottom Layer "+3V3_L04_P103" (solid, pour order 103): 1636.86,2679.93 1640.93,2684 1700.33,2684 1700.33,2561.13 1709.98,2551.48 1759.72,2551.48 1759.72,2451.46 1755.16,2446.9 1652.1,2446.9 1648.5,2450.5 1648.5,2548.97 1629.24,2568.23 1629.24,2674.85
GND on Bottom Layer "GND_L04_P102" (solid, pour order 102): 1264.76,2444.06 1264.76,2448.93 1264.76,2435.98 1127.36,2435.98 1126.77,2436.56 1126.77,2493.97 1267.32,2493.97 1264.2,2490.85 1264.2,2447.24
GND on Bottom Layer "GND_L04_P010" (solid, remove dead copper, pour order 10): 1596.46,4116.32 1596.46,4190.48 1531.27,4190.48 1527.56,4346.46 1649.61,4346.46 1649.61,4283.46 1673.23,4259.84 1791.34,4259.84 1960.63,4165.35 1968.5,4051.18 1787.65,4051.18 1722.52,4116.32
GND on Bottom Layer "Bottom Layer-GND 1" (solid, pour order 48): 1290.99,3510.62 1375.25,3510.62 1376.53,3511.9 1447.03,3511.9 1447.03,3541.52 1447.03,3555.67 1414.78,3555.67 1414.58,3555.47 1406.31,3563.73 1290.99,3563.73
NetC57_1 on Bottom Layer "NETC57_1_L04_P091" (solid, remove dead copper, pour order 91): 2314.99,3685.2 2314.43,3684.64 2314.43,3631.87 2067.42,3631.87 2066.86,3632.44 2067.97,3633.55 2067.97,3686.34 2311.6,3686.34 2312.74,3685.2
+1V8 on Bottom Layer "+1V8_L04_P083" (solid, remove dead copper, pour order 83): 2758.47,2464.83 2903.6,2464.83 2906.24,2462.19 3004.75,2462.19 3004.75,2398.11 2983.56,2376.92 2981.97,2378.51 2755.83,2378.51
GND on Bottom Layer "GND_L04_P082" (solid, remove dead copper, pour order 82): 2887.69,2612.07 2899.88,2599.87 2899.88,2542.69 2900.93,2541.64 2897.74,2538.45 2757.93,2538.45 2757.93,2602.53 2766.95,2611.54 2886.11,2611.54
SP_2 on Bottom Layer "SP_2_L04_P066" (solid, pour order 66): 3358.08,3138.15 3226.68,3138.15 3209.39,3120.86 3209.39,2966.99 3122.93,2966.99 3121.21,2968.71 3119.48,2966.98 3119.48,2874.79 3190.95,2803.32 3324.65,2803.32 3324.65,2804.47 3360.38,2840.2
GND on Bottom Layer "Bottom Layer-GND 2" (solid, remove dead copper, pour order 73): 2655.1,3088.87 2655.67,3089.43 2655.25,3089.85 2654.84,3131.71 2654.84,3131.72 2654.78,3137.63 2633.02,3137.63 2628.2,3142.45 2628.2,3189.41 2626.82,3190.78 2619.41,3195.18 2619.12,3194.88 2569.43,3194.88 2569.43,3145.17 2576.98,3137.63 2507.05,3137.63 2507.05,3048.66 2507.04,3048.65 2511.15,3044.54 2582.62,3044.54 2582.62,3088.84 2582.59,3088.87 2654.27,3088.87
+1V8 on Bottom Layer "+1V8_L04_P062" (solid, remove dead copper, pour order 62): 1152.32,3211.36 1152.04,3211.65 1152.04,3230.6 1390.48,3230.6 1391.04,3231.15 1396.19,3226 1396.19,3152.59 1164.99,3152.59 1152.89,3164.69
+3V3 on Bottom Layer "+3V3_L04_P057" (solid, pour order 57): 984.57,3177.47 986.07,3178.98 997.38,3178.98
+3V3 on Bottom Layer "+3V3_L04_P059" (solid, pour order 59): 1104.14,3304.55 1102.54,3302.95 949.42,3302.95 949.42,3059.63 961.03,3048.02 1128.19,3048.02 1128.19,3129.79 1128.59,3130.19 1121.78,3137.01 1032.8,3137.01 1031.99,3137.81 1034.8,3140.61 1034.8,3220.38 1091.32,3220.38 1101.74,3230.8
NetC37_2 on Bottom Layer "NETC37_2_L04_P046" (solid, remove dead copper, pour order 46): 1142.9,2961.13 1159.42,2932.71 1159.42,2848.11 1163.36,2844.17 1319.33,2844.17 1319.33,2862.67 1307.44,2904.96 1307.44,3002.1 1232.11,3002.1 1228.81,3005.4 1234.09,3010.69 1234.09,3159.37 1142.9,3159.37
GND on Bottom Layer "GND_L04_P054" (solid, pour order 54): 829.09,2947.95 819.06,2937.92 819.06,2843.88 845.36,2817.57 949.02,2817.57 949.02,2858.1 967.41,2876.49 1020.48,2876.49 1020.48,2929.98 1002.09,2948.37
GND on Bottom Layer "GND_L04_P053" (solid, pour order 53): 1163.36,2844.17 1163.36,2712.67 1212.71,2712.67 1383.61,2712.67 1383.61,2662.54 1403.69,2642.46 1429.58,2642.46 1468.87,2681.75 1463.85,2686.78 1463.85,2849.32 1168.5,2849.32
GND on Bottom Layer "GND_L04_P050" (solid, remove dead copper, pour order 50): 1396.19,3152.59 1392.91,3149.31 1246.36,3149.31 1246.36,3016.34 1246.36,3002.75 1245.12,2989.09 1378.7,2989.09 1378.7,2981.97 1434.46,2926.21 1467.29,2926.21 1467.29,3148.77 1464.55,3151.5
GND on Bottom Layer "GND_L04_P044" (solid, remove dead copper, pour order 44): 1355.51,3714.49 1405.46,3714.49 1405.6,3714.35 1405.6,3664.12 1342.52,3664.12 1331.09,3675.56 1331.09,3719.31 1355.45,3719.31 1355.5,3719.25
+3V3 on Bottom Layer "+3V3_L04_P042" (solid, pour order 42): 1406.87,3638.7 1406.87,3585.08 1405.44,3583.66 1339.02,3583.66 1339.02,3643.44 1348.98,3653.41 1407.34,3653.41 1407.82,3653.88
+3V3 on Bottom Layer "+3V3_L04_P041" (solid, pour order 41): 1330.76,3719.63 1331.09,3719.31 1331.09,3652.49 1189.06,3652.49 1157.11,3684.45 1136.12,3684.45 1136.12,3722.21 1145.48,3731.57 1331.41,3731.57
SP on Bottom Layer "SP_L04_P036" (solid, remove dead copper, pour order 36): 3260,3660 3255,3665 3125,3665 3125,3625 3095,3595 3095,3430 3265,3260 3345,3260 3350,3255 3350,3390 3290,3390 3260,3420
+12V on Bottom Layer "+12V_L04_P024" (solid, pour order 24): 3523.62,4094.49 3523.62,3905.51 3299.21,3905.51 3291.34,3913.39 3291.34,4023.62 3362.2,4094.49
+12V on Bottom Layer "+12V_L04_P019" (solid, pour order 19): 3519.69,4748.03 3259.84,4748.03 3259.84,4500 3326.77,4433.07 3523.62,4433.07
GND on Bottom Layer "GND_L04_P014" (solid, remove dead copper, pour order 14): 3220.47,4755.91 3224.41,4751.97 3224.41,4342.52 2948.82,4342.52 2944.88,4338.58 2858.27,4425.2 2858.27,4464.57 2779.53,4464.57 2779.53,4496.06 2779.53,4527.56 2779.53,4566.93 2822.83,4566.93 2822.83,4633.86 2716.54,4633.86 2692.91,4610.24 2692.91,4566.93 2590.55,4566.93 2590.55,4633.86 2657.48,4633.86 2650.26,5117.9 2929.13,5117.9 2929.13,4960.63 2976.38,4913.39
+3V3 on Bottom Layer "+3V3_L04_P017" (solid, pour order 17): 2291.34,4553.15 2307.09,4568.9 2307.09,4690.94 2228.35,4690.94 2196.85,4659.45 2196.85,4553.15
+3V3 on Bottom Layer "+3V3_L04_P011" (solid, remove dead copper, pour order 11): 2594.49,4035.43 2598.43,4039.37 2598.43,4196.85 2555.12,4196.85 2555.12,4354.33 2460.63,4354.33 2460.63,4311.02 2460.63,4200.79 2405.51,4200.79 2397.64,4192.91 2397.64,4114.17 2488.19,4114.17 2503.94,4098.43 2503.94,4031.5 2586.61,4031.5 2594.49,4039.37
GND on Bottom Layer "GND_L04_P009" (solid, pour order 9): 1527.56,3948.82 1401.57,3948.82 1401.57,4015.75 883.97,4015.75 881.89,4015.23 881.89,3818.9 1527.56,3818.9
+3V3 on Bottom Layer "+3V3_L04_P006" (solid, remove dead copper, pour order 6): 1519.69,3960.63 1421.26,3960.63 1417.32,3960.63 1413.39,3960.63 1413.39,4019.69 1161.42,4019.69 1157.48,4023.62 1157.48,4118.11 1433.07,4118.11 1452.76,4098.43 1519.69,4098.43
NetC11_2 on Bottom Layer "NETC11_2_L04_P003" (solid, remove dead copper, pour order 3): 1529.53,4456.69 1529.53,4370.51 1523.09,4364.07 1401.57,4364.07 1401.57,4407.48 1450.79,4456.69 1525.59,4456.69
+1V8 on VCC (split plane): 1459.34,3218.29 1460.91,3217.09 1462.73,3216.33 1464.69,3216.07 1477.85,3216.07 1477.85,2710.08 1352.44,2584.68 1351.86,2583.92 1351.27,2583.16 1351.26,2583.13 1351.24,2583.11 1350.87,2582.22 1350.5,2581.34 1350.5,2581.31 1350.49,2581.29 1350.36,2580.32 1350.23,2579.38 1349.73,2510.45 1349.73,2510.43 1349.73,2510.4 1349.73,2436.54 1349.99,2434.58 1350.74,2432.76 1351.94,2431.19 1353.51,2429.99 1355.34,2429.23 1357.29,2428.98 1624.46,2428.98 1624.47,2428.98 1624.48,2428.98 2113.2,2430.1 2376.71,2430.71 2377.35,2430.8 2378,2430.83 2378.33,2430.93 2378.67,2430.98 2379.26,2431.22 2379.88,2431.42 2380.17,2431.6 2380.49,2431.74 2381,2432.13 2381.55,2432.48 2381.78,2432.73 2382.05,2432.94 2382.45,2433.46 2382.88,2433.93 2468.31,2555.68 2654.26,2556.35 2654.51,2553.81 2655.37,2550.99 2656.76,2548.38 2658.63,2546.1 2699.98,2504.75 2702.27,2502.87 2704.87,2501.48 2707.7,2500.62 2710.64,2500.33 2973.61,2500.33 3094.14,2379.8 801.06,2379.8 801.06,2640.63 1282.99,2639.94 1283.5,2640.01 1284.02,2640.01 1284.48,2640.13 1284.95,2640.19 1285.42,2640.39 1285.92,2640.53 1286.33,2640.77 1286.77,2640.95 1287.18,2641.26 1287.63,2641.52 1287.96,2641.86 1288.34,2642.15 1288.66,2642.56 1289.02,2642.92 1315.35,2677.53 1315.58,2677.94 1315.88,2678.32 1316.07,2678.8 1316.33,2679.24 1316.45,2679.71 1316.63,2680.15 1316.7,2680.66 1316.83,2681.15 1316.83,2681.63 1316.89,2682.11 1316.89,2852.79 1352.7,2888.6 1382.67,2888.6 1384.63,2888.86 1386.46,2889.61 1388.02,2890.82 1389.23,2892.38 1389.98,2894.21 1390.24,2896.17 1390.24,2933.1 1390.24,3160.68 1389.98,3162.64 1389.23,3164.46 1388.02,3166.03 1386.46,3167.23 1384.63,3167.99 1382.67,3168.25 1161.51,3168.25 1141.98,3186.25 1141.98,3246.76 1430.87,3246.76
+12V on VCC (split plane): 3525.71,2379.8 3136.78,2379.8 2990.51,2526.06 2988.23,2527.94 2985.62,2529.33 2982.8,2530.19 2979.86,2530.48 2716.88,2530.48 2684.36,2563 2684.36,3596.12 2722.82,3634.57 2879.67,3635.48 2972.29,3543.93 2974.59,3542.07 2977.2,3540.69 2980.03,3539.85 2982.97,3539.58 3364.25,3541.8 3367.19,3542.1 3368.93,3542.64 3370.01,3542.98 3372.61,3544.39 3374.88,3546.27 3491.03,3663.78 3491.94,3664.9 3492.85,3666.01 3492.87,3666.04 3492.9,3666.08 3493.57,3667.35 3494.24,3668.61 3494.25,3668.65 3494.27,3668.69 3494.68,3670.07 3495.1,3671.44 3495.1,3671.48 3495.11,3671.53 3495.25,3672.95 3495.39,3674.38 3495.39,3814.96 3495.1,3817.9 3494.24,3820.73 3492.85,3823.33 3490.97,3825.62 3396.48,3920.11 3394.2,3921.98 3391.59,3923.37 3388.77,3924.23 3385.83,3924.52 3294.6,3924.52 3294.6,4328.68 3294.31,4331.62 3293.45,4334.45 3292.06,4337.06 3290.19,4339.34 3199.88,4429.65 3199.88,4594.72 3199.59,4597.66 3198.73,4600.49 3197.34,4603.09 3195.47,4605.38 3046.61,4754.23 3044.33,4756.11 3041.72,4757.5 3038.89,4758.36 3035.95,4758.65 2880.39,4758.65 2794.6,4844.44 2794.6,5180.69 3525.71,5180.69
+3V3 on VCC (split plane): 277 vertices, not listed, extent 801.06,2444.11 3465.24,5180.69
GND on GND (split plane): 175 vertices, not listed, extent 801.06,2379.8 3525.71,5180.69

## Other copper
GND (plane layer: these items are gaps in the copper):
  lines w15: 782.71,3786.25 1487.71,3791.25 1487.71,3740 1487.71,3637.5 1487.71,3586.25 1477.71,3556.25 1477.71,3426.25 1457.71,3406.25 1367.71,3406.25 1272.71,3406.25 ; 786.7,3401.25 1162.71,3401.25 1232.71,3401.25 ; 790.5,2599.71 1202.76,2599.71 1264.26,2599.71 1347.58,2599.71 1477.71,2676.25 1477.71,3343.76 1452.8,3376.97 1410.42,3378.15 1348.59,3379.87 1273.23,3381.96
VCC (plane layer: these items are gaps in the copper):
  lines w15: 762.3,2648.26 1283,2647.5 1309.33,2682.11 1309.33,2855.93 1349.57,2896.17 1382.67,2896.17 1382.67,2933.1 1382.67,3160.68 1158.56,3160.68 1134.41,3182.94 ; 785,3810 1485,3815 1485,3610 1475,3580 1475,3450 1455,3425 1270,3425 ; 790,3425 1225,3425 ; 1270,3380 1455,3380 1485.41,3349.59 1485.41,2706.95 1357.79,2579.33 1357.29,2510.4 1357.29,2436.54 1431.33,2436.54 1624.46,2436.54 2113.18,2437.67 2376.69,2438.28 2464.36,2563.23 2670.53,2563.97 ; 1479.97,3223.64 1464.69,3223.64 1434.01,3254.32 1134.42,3254.32 1134.42,3182.95 ; 1134.41,3182.94 1134.42,3182.95
  lines w30: 2779.53,5200.79 2779.53,4838.19 2874.15,4743.57 3035.95,4743.57 3184.81,4594.72 3184.81,4423.4 3279.53,4328.68 ; 3135.67,2359.59 2979.86,2515.41 2710.64,2515.41 2669.29,2556.75 2669.29,3602.36 2716.54,3649.61 2885.83,3650.59 2982.89,3554.65 3364.16,3556.87 3480.32,3674.38 3480.32,3814.96 3385.83,3909.45 3279.53,3909.45 3279.53,4328.68 ; 3279.53,4132.66 3279.53,4328.68

## Silkscreen, mask and mechanical layers (free items; w line width, h text height)
Top Overlay:
  lines w10: 2351.57,3462.14 2515.66,3462.14 2515.66,3643.59 2351.57,3643.59 2351.57,3462.14 ; 2398.12,2853.81 2558.89,2853.81 2558.89,3021.31 2398.12,3021.31 2398.12,2853.81 ; 3236.53,3027.21 3353.54,3027.21 3353.54,3137.48 3236.53,3137.48 3236.53,3027.21
  lines w15: 2865.3,3133.27 2910.77,3132.44 ; 2896.45,3118.98 2910.77,3132.44 ; 2910.77,3132.44 2898.98,3147.59 2910.77,3132.44
Bottom Overlay:
  lines w10: 1461.1,2887.29 1637.66,2887.29 1637.66,3068.12 1461.1,3068.12 1461.1,2887.29 ; 1760.56,3257.09 2144.72,3257.09 2144.72,3575.7 1760.56,3575.7 1760.56,3257.09 ; 2417.59,3709.84 2714.83,3709.84 2714.83,3894.28 2417.59,3894.28 2417.59,3709.84

## Text inside footprints (layer, text, board x,y; h text height)
D5: Top Overlay "K" at 3284.84,4226.2 h35 r90
D7: Top Overlay "K" at 3372.58,2927.71 h35 r90; Top Overlay "A" at 3367.66,2647.19 h35 r90
DS1: Top Overlay "K" at 1721.46,4159.45 h22 r180
DS2: Top Overlay "A" at 1535.93,4069.89 h20 r180; Top Overlay "K" at 1721.46,4072.84 h22 r180
U4: Bottom Overlay "1" at 2670.82,4615.27 h35; Bottom Overlay "8" at 2667.95,4183.77 h35; Bottom Overlay "9" at 2357.17,4188.63 h35; Bottom Overlay "16" at 2385.82,4620.27 h35
U5: Top Overlay "8" at 1214.51,3812.5 h25 r270; Top Overlay "1" at 1394.69,3803.98 h25 r270